# Altium PCB WS2812_MATRIX.PcbDoc (part 3 of 4)
Units mil, origin at the board's own origin, x right, y up, seen from the top; angles counter-clockwise.
Board outline 6515.75 x 1791.34 mil, 2 copper layers (Top Layer, Bottom Layer); 516 components, 260 nets, 1546 pads, 523 vias.
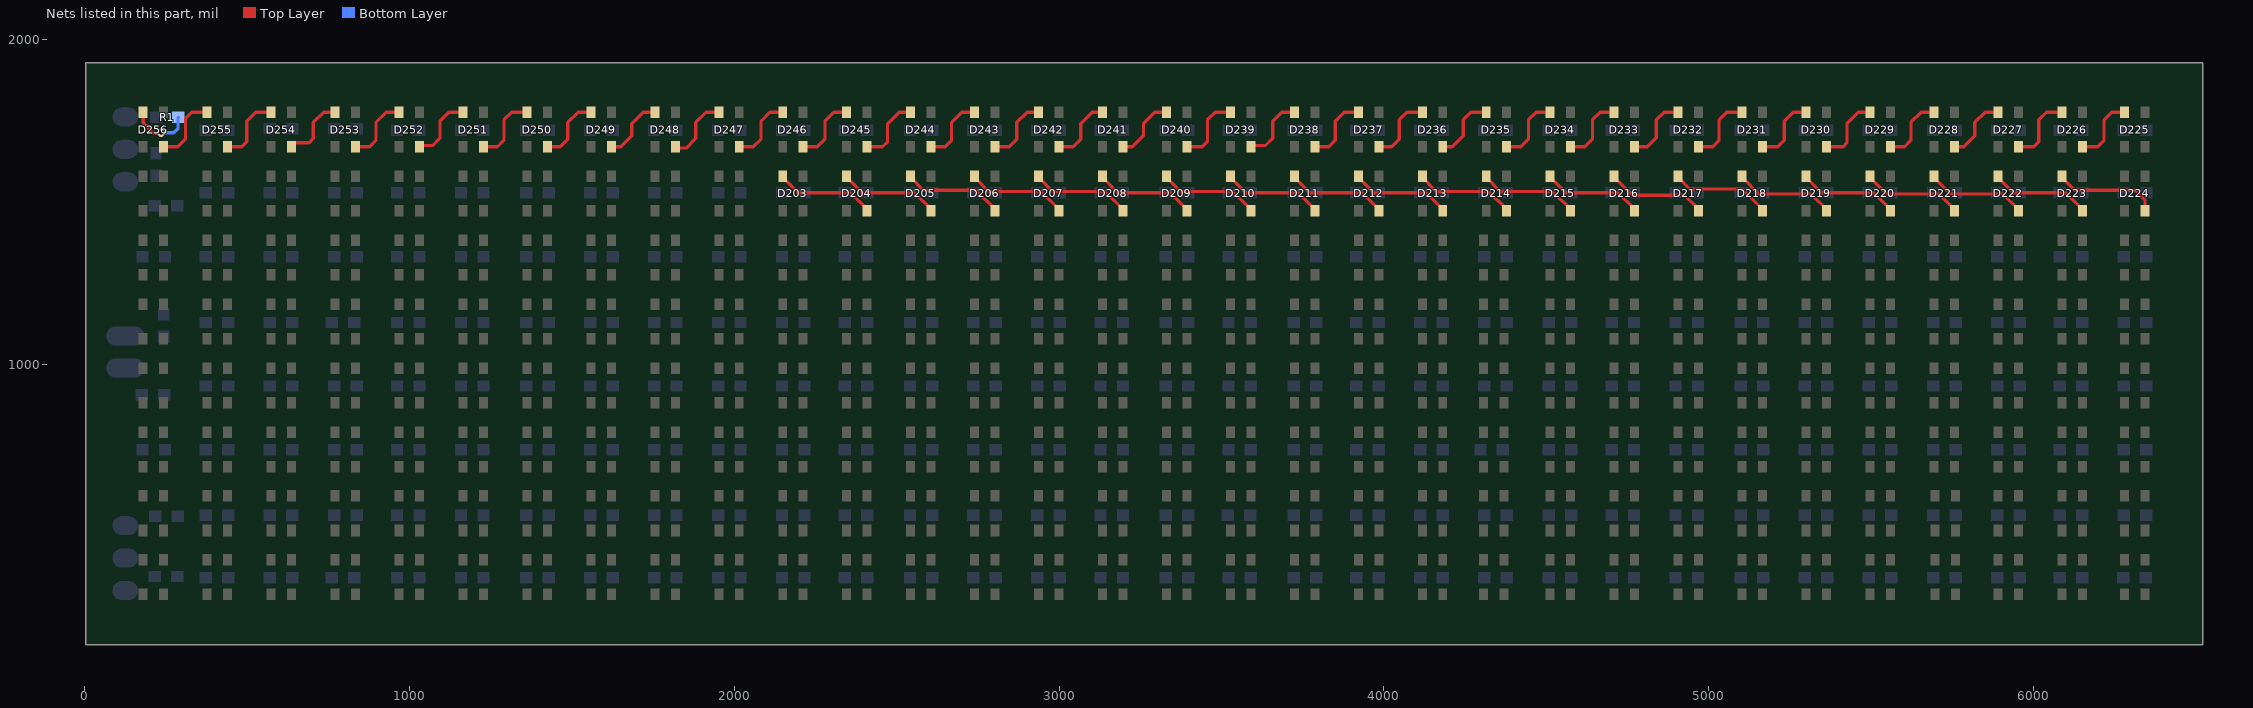
[diagram p3: the nets of this part, all layers, seen from the top]

## Via types
v1: diameter 25, hole 12, Top Layer to Bottom Layer, tented both sides, 523 vias

## Nets (pads, with @x,y where several pads share a name; then routed paths per layer and width w, separated by ;. In a path a pad name is that pad's centre, name@x,y a point inside that pad or via, vN(x,y) a via of type N, cw(c..) or ccw(c..) an arc to the next point about the centre after c; other vN are vias at no path point) (continued)
NetD203_4: D203.4 D204.2 | length 308.5
  Top Layer w10: D203.4@2149.61,1578.74 2149.61,1574.8 2196.85,1527.56 2358.27,1527.56 2409.45,1476.38 D204.2@2409.45,1472.44
NetD204_4: D204.4 D205.2 | length 308.5
  Top Layer w10: D204.4@2346.46,1578.74 2346.46,1574.8 2393.7,1527.56 2555.12,1527.56 2606.3,1476.38 D205.2@2606.3,1472.44
NetD205_4: D205.4 D206.2 | length 308.5
  Top Layer w10: D205.4@2543.31,1578.74 2543.31,1574.8 2582.68,1535.43 2744.09,1535.43 2803.15,1476.38 D206.2@2803.15,1472.44
NetD206_4: D206.4 D207.2 | length 308.5
  Top Layer w10: D206.4@2740.16,1578.74 2740.16,1574.8 2783.46,1531.5 2944.88,1531.5 3000,1476.38 D207.2@3000,1472.44
NetD207_4: D207.4 D208.2 | length 308.5
  Top Layer w10: D207.4@2937.01,1578.74 2937.01,1574.8 2980.31,1531.5 3141.73,1531.5 3196.85,1476.38 D208.2@3196.85,1472.44
NetD208_4: D208.4 D209.2 | length 308.5
  Top Layer w10: D208.4@3133.86,1578.74 3133.86,1574.8 3181.1,1527.56 3342.52,1527.56 3393.7,1476.38 D209.2@3393.7,1472.44
NetD209_4: D209.4 D210.2 | length 308.5
  Top Layer w10: D209.4@3330.71,1578.74 3330.71,1574.8 3374.02,1531.5 3535.43,1531.5 3590.55,1476.38 D210.2@3590.55,1472.44
NetD210_4: D210.4 D211.2 | length 308.5
  Top Layer w10: D210.4@3527.56,1578.74 3527.56,1574.8 3574.8,1527.56 3736.22,1527.56 3787.4,1476.38 D211.2@3787.4,1472.44
NetD211_4: D211.4 D212.2 | length 308.5
  Top Layer w10: D211.4@3724.41,1578.74 3724.41,1574.8 3771.65,1527.56 3933.07,1527.56 3984.25,1476.38 D212.2@3984.25,1472.44
NetD212_4: D212.4 D213.2 | length 308.5
  Top Layer w10: D212.4@3921.26,1578.74 3921.26,1574.8 3968.5,1527.56 4129.92,1527.56 4181.1,1476.38 D213.2@4181.1,1472.44
NetD213_4: D213.4 D214.2 | length 308.5
  Top Layer w10: D213.4@4118.11,1578.74 4118.11,1574.8 4161.42,1531.5 4322.83,1531.5 4377.95,1476.38 D214.2@4377.95,1472.44
NetD214_4: D214.4 D215.2 | length 308.5
  Top Layer w10: D214.4@4314.96,1578.74 4314.96,1574.8 4358.27,1531.5 4519.68,1531.5 4574.8,1476.38 D215.2@4574.8,1472.44
NetD215_4: D215.4 D216.2 | length 308.5
  Top Layer w10: D215.4@4511.81,1578.74 4511.81,1574.8 4559.05,1527.56 4720.47,1527.56 4771.65,1476.38 D216.2@4771.65,1472.44
NetD216_4: D216.4 D217.2 | length 308.5
  Top Layer w10: D216.4@4708.66,1578.74 4708.66,1574.8 4763.78,1519.69 4925.19,1519.69 4968.5,1476.38 D217.2@4968.5,1472.44
NetD217_4: D217.4 D218.2 | length 308.5
  Top Layer w10: D217.4@4905.51,1578.74 4905.51,1574.8 4940.94,1539.37 5102.36,1539.37 5165.35,1476.38 D218.2@5165.35,1472.44
NetD218_4: D218.4 D219.2 | length 308.5
  Top Layer w10: D218.4@5102.36,1578.74 5102.36,1574.8 5153.54,1523.62 5314.96,1523.62 5362.2,1476.38 D219.2@5362.2,1472.44
NetD219_4: D219.4 D220.2 | length 308.5
  Top Layer w10: D219.4@5299.21,1578.74 5299.21,1574.8 5346.45,1527.56 5507.87,1527.56 5559.06,1476.38 D220.2@5559.06,1472.44
NetD220_4: D220.4 D221.2 | length 308.5
  Top Layer w10: D220.4@5496.06,1578.74 5496.06,1574.8 5547.24,1523.62 5708.66,1523.62 5755.91,1476.38 D221.2@5755.91,1472.44
NetD221_4: D221.4 D222.2 | length 308.5
  Top Layer w10: D221.4@5692.91,1578.74 5692.91,1574.8 5744.09,1523.62 5905.51,1523.62 5952.75,1476.38 D222.2@5952.75,1472.44
NetD222_4: D222.4 D223.2 | length 308.5
  Top Layer w10: D222.4@5889.76,1578.74 5889.76,1574.8 5937,1527.56 6098.42,1527.56 6149.6,1476.38 D223.2@6149.6,1472.44
NetD223_4: D223.4 D224.2 | length 321.4
  Top Layer w10: D223.4@6086.61,1578.74 6086.61,1574.8 6125.98,1535.43 6312.24,1535.43 6342.52,1505.16 D224.2@6342.52,1472.44
NetD225_4: D225.4 D226.2 | length 210.9
  Top Layer w10: D226.2@6149.6,1669.29 6196.85,1669.29 6216.54,1688.98 6216.54,1751.97 6240.16,1775.59 D225.4@6279.53,1775.59
NetD226_4: D226.4 D227.2 | length 217.1
  Top Layer w10: D227.2@5952.75,1669.29 6000,1669.29 6015.75,1685.04 6015.75,1751.97 6039.37,1775.59 D226.4@6086.61,1775.59
NetD227_4: D227.4 D228.2 | length 201.7
  Top Layer w10: D228.2@5755.91,1669.29 5784.69,1669.29 5818.9,1703.5 5818.9,1744.09 5850.39,1775.59 D227.4@5889.76,1775.59
NetD228_4: D228.4 D229.2 | length 210.2
  Top Layer w10: D229.2@5559.06,1669.29 5602.36,1669.29 5622.05,1688.98 5622.05,1744.09 5653.54,1775.59 D228.4@5692.91,1775.59
NetD229_4: D229.4 D230.2 | length 212.5
  Top Layer w10: D230.2@5362.2,1669.29 5413.39,1669.29 5425.2,1681.1 5425.2,1740.16 5460.63,1775.59 D229.4@5496.06,1775.59
NetD230_4: D230.4 D231.2 | length 212.5
  Top Layer w10: D231.2@5165.35,1669.29 5212.6,1669.29 5232.28,1688.98 5232.28,1748.03 5259.84,1775.59 D230.4@5299.21,1775.59
NetD231_4: D231.4 D232.2 | length 214.8
  Top Layer w10: D232.2@4968.5,1669.29 5011.81,1669.29 5031.5,1688.98 5031.5,1751.97 5055.12,1775.59 D231.4@5102.36,1775.59
NetD232_4: D232.4 D233.2 | length 210.2
  Top Layer w10: D233.2@4771.65,1669.29 4811.02,1669.29 4838.58,1696.85 4838.58,1751.97 4862.2,1775.59 D232.4@4905.51,1775.59
NetD233_4: D233.4 D234.2 | length 212.5
  Top Layer w10: D234.2@4574.8,1669.29 4618.11,1669.29 4641.73,1692.91 4641.73,1751.97 4665.35,1775.59 D233.4@4708.66,1775.59
NetD234_4: D234.4 D235.2 | length 212.5
  Top Layer w10: D235.2@4377.95,1669.29 4421.26,1669.29 4444.88,1692.91 4444.88,1751.97 4468.5,1775.59 D234.4@4511.81,1775.59
NetD235_4: D235.4 D236.2 | length 206.3
  Top Layer w10: D236.2@4181.1,1669.29 4209.88,1669.29 4244.09,1703.51 4244.09,1751.97 4267.72,1775.59 D235.4@4314.96,1775.59
NetD236_4: D236.4 D237.2 | length 212.5
  Top Layer w10: D237.2@3984.25,1669.29 4023.62,1669.29 4047.24,1692.91 4047.24,1751.97 4070.87,1775.59 D236.4@4118.11,1775.59
NetD237_4: D237.4 D238.2 | length 212.5
  Top Layer w10: D238.2@3787.4,1669.29 3830.71,1669.29 3850.39,1688.98 3850.39,1748.03 3877.95,1775.59 D237.4@3921.26,1775.59
NetD238_4: D238.4 D239.2 | length 211.2
  Top Layer w10: D239.2@3590.55,1669.29 3590.55,1673.23 3635.56,1673.23 3657.48,1695.15 3657.48,1748.03 3685.04,1775.59 D238.4@3724.41,1775.59
NetD239_4: D239.4 D240.2 | length 217.1
  Top Layer w10: D240.2@3393.7,1669.29 3440.94,1669.29 3456.69,1685.04 3456.69,1751.97 3480.31,1775.59 D239.4@3527.56,1775.59
NetD240_4: D240.4 D241.2 | length 199.4
  Top Layer w10: D241.2@3196.85,1669.29 3225.63,1669.29 3259.84,1703.51 3259.84,1740.16 3295.28,1775.59 D240.4@3330.71,1775.59
NetD241_4: D241.4 D242.2 | length 205.6
  Top Layer w10: D242.2@3000,1669.29 3043.31,1669.29 3066.93,1692.91 3066.93,1740.16 3102.36,1775.59 D241.4@3133.86,1775.59
NetD242_4: D242.4 D243.2 | length 207.9
  Top Layer w10: D243.2@2803.15,1669.29 2846.46,1669.29 2870.08,1692.91 2870.08,1744.09 2901.57,1775.59 D242.4@2937.01,1775.59
NetD243_4: D243.4 D244.2 | length 210.2
  Top Layer w10: D244.2@2606.3,1669.29 2649.61,1669.29 2669.29,1688.98 2669.29,1744.09 2700.79,1775.59 D243.4@2740.16,1775.59
NetD244_4: D244.4 D245.2 | length 210.2
  Top Layer w10: D245.2@2409.45,1669.29 2456.69,1669.29 2472.44,1685.04 2472.44,1740.16 2507.87,1775.59 D244.4@2543.31,1775.59
NetD245_4: D245.4 D246.2 | length 210.2
  Top Layer w10: D246.2@2212.6,1669.29 2255.91,1669.29 2279.53,1692.91 2279.53,1748.03 2307.09,1775.59 D245.4@2346.46,1775.59
NetD246_4: D246.4 D247.2 | length 210.2
  Top Layer w10: D247.2@2015.75,1669.29 2059.06,1669.29 2082.68,1692.91 2082.68,1748.03 2110.24,1775.59 D246.4@2149.61,1775.59
NetD247_4: D247.4 D248.2 | length 215.4
  Top Layer w10: D248.2@1818.9,1669.29 1818.9,1673.23 1826.77,1665.35 1852.09,1665.35 1881.89,1695.15 1881.89,1744.09 1913.39,1775.59 D247.4@1952.75,1775.59
NetD248_4: D248.4 D249.2 | length 199.4
  Top Layer w10: D249.2@1622.05,1669.29 1650.83,1669.29 1685.04,1703.5 1685.04,1740.16 1720.47,1775.59 D248.4@1755.9,1775.59
NetD249_4: D249.4 D250.2 | length 207.9
  Top Layer w10: D250.2@1425.2,1669.29 1464.57,1669.29 1488.19,1692.91 1488.19,1744.09 1519.69,1775.59 D249.4@1559.05,1775.59
NetD250_4: D250.4 D251.2 | length 214.8
  Top Layer w10: D251.2@1228.35,1669.29 1271.65,1669.29 1291.34,1688.98 1291.34,1751.97 1314.96,1775.59 D250.4@1362.2,1775.59
NetD251_4: D251.4 D252.2 | length 211.2
  Top Layer w10: D252.2@1031.5,1669.29 1031.5,1673.23 1072.57,1673.23 1094.49,1695.15 1094.49,1748.03 1122.05,1775.59 D251.4@1165.35,1775.59
NetD252_4: D252.4 D253.2 | length 210.2
  Top Layer w10: D253.2@834.65,1669.29 877.95,1669.29 897.64,1688.98 897.64,1744.09 929.13,1775.59 D252.4@968.5,1775.59
NetD253_4: D253.4 D254.2 | length 208.9
  Top Layer w10: D254.2@637.8,1669.29 637.8,1673.23 646.57,1682.01 691.58,1682.01 704.72,1695.15 704.72,1744.09 736.22,1775.59 D253.4@771.65,1775.59
NetD254_4: D254.4 D255.2 | length 214.8
  Top Layer w10: D255.2@440.94,1669.29 484.25,1669.29 500,1685.04 500,1748.03 527.56,1775.59 D254.4@574.8,1775.59
NetD255_4: D255.4 D256.2 | length 214.8
  Top Layer w10: D256.2@244.09,1669.29 287.4,1669.29 311.02,1692.91 311.02,1755.91 330.71,1775.59 D255.4@377.95,1775.59
NetD256_4: D256.4 R1.1 | length 193.6
  Top Layer w10: D256.4@181.1,1775.59 181.1,1742.87 211.38,1712.6 v1(236.22,1712.6)
  Bottom Layer w10: v1(236.22,1712.6) 275.59,1712.6 287.97,1724.98 287.97,1759.84 R1.1@289.47,1759.84